# Altium PCB Printing2.PcbDoc (part 3 of 5)
Units mil, origin at the board's own origin, x right, y up, seen from the top; angles counter-clockwise.
Board outline 7550 x 7770 mil, 4 copper layers (Top Layer, 5v/3.3V, 24V, Bottom Layer), stack 23.756 mil thick; 443 components, 337 nets, 1388 pads, 513 vias.
Unrouted connection lines stored in the file: 148.
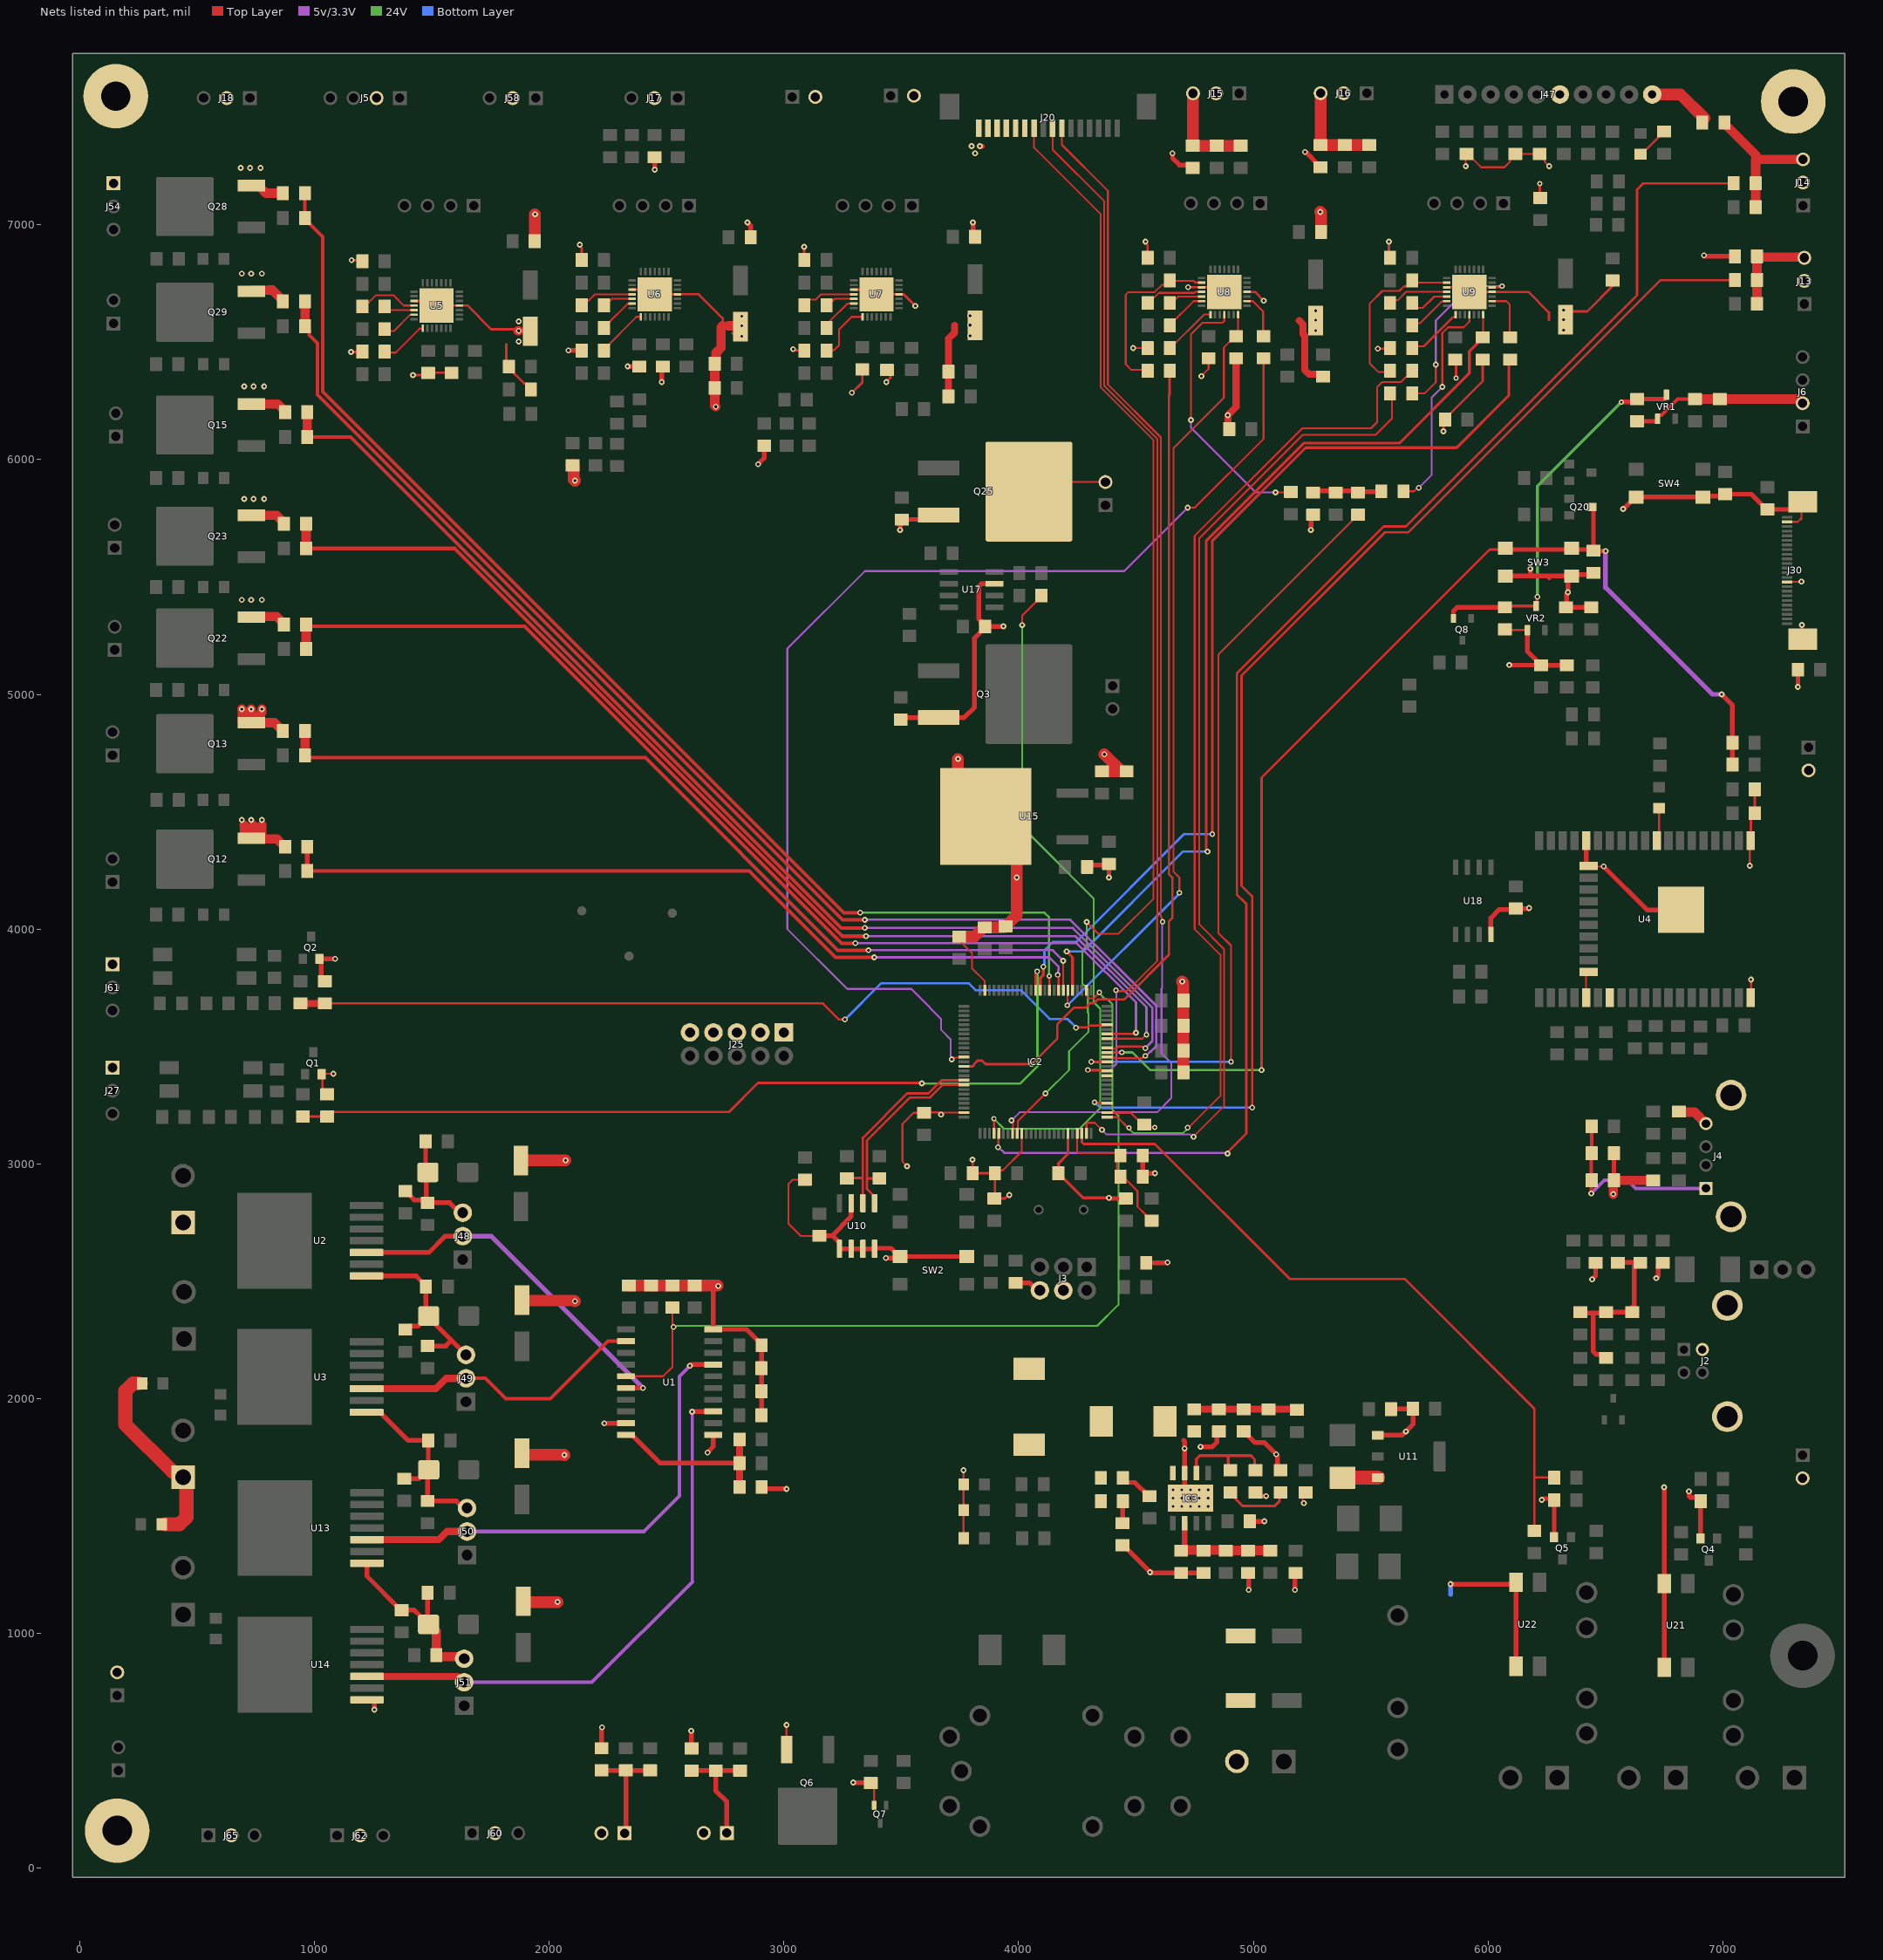
[diagram p5: the nets of this part, all layers, seen from the top]

## Via types
v1: diameter 25, hole 12, Top Layer to Bottom Layer, tented both sides, 396 vias
v2: diameter 23, hole 12, Top Layer to Bottom Layer, tented both sides, 76 vias
v3: diameter 19.68, hole 11.81, Top Layer to Bottom Layer, 15 vias
v4: diameter 25, hole 12, Top Layer to Bottom Layer, 12 vias
v5: diameter 28, hole 14, Top Layer to Bottom Layer, tented both sides, 8 vias
v6: diameter 22, hole 12, Top Layer to Bottom Layer, tented both sides, 4 vias
v7: diameter 23, hole 14, Top Layer to Bottom Layer, tented both sides, 1 vias
v8: diameter 24, hole 12, Top Layer to Bottom Layer, tented both sides, 1 vias

## Nets (pads, with @x,y where several pads share a name; then routed paths per layer and width w, separated by ;. In a path a pad name is that pad's centre, name@x,y a point inside that pad or via, vN(x,y) a via of type N, cw(c..) or ccw(c..) an arc to the next point about the centre after c; other vN are vias at no path point) (continued)
E0_EN: IC2.89 R149.1 | length 3613.4
  Top Layer w10: IC2.89@3767.5,3415.3 3804.64,3415.3 3810.5,3421.16 3810.5,3425.15 3824.85,3439.5 3845.15,3439.5 3860.1,3424.55 4054.79,3424.55 v2(4055.5,3425.26) 4165,3534.76 4165,3595.15 4234.85,3665 4285,3665 4305,3685 4321.84,3685 4336.84,3700 4450,3700 4640,3890 4640,4032.03 4655,4047.03 4655,4220 4640,4235 4640,6273.92 4643.41,6277.33
  Top Layer w12: 4643.41,6277.33 R149.1@4643.41,6370.33
E0_EN1: R99.1 R149.2 U8.2 | length 753.7
  Top Layer w8: R149.2@4549.96,6378.33 4546.61,6381.68 4481.06,6381.68 4456.41,6406.33 4456.41,6702.33 4467.41,6713.33 4579.41,6713.33 4610.16,6744.08 4622.86,6744.08 R99.1@4643.47,6764.69 ; R99.1@4644.45,6763.75 4646.87,6761.33 4745.41,6761.33 4751.9,6754.84 4778.57,6754.84 U8.2@4779.88,6753.53
E0_STEP: IC2.87 R151.1 | length 4998.7
  Top Layer w8: v1(3715,3445) 3722.77,3452.77 3765.59,3452.77 IC2.87@3767.5,3454.67 ; v1(4720,5795) 4750.08,5795 5043.41,6088.33 R151.1@5043.41,6431.09 R151.1@5043.41,6432.09
  5v/3.3V w8: v1(3715,3445) 3711.75,3448.25 3711.75,3456.44 3710,3458.19 3710,3530.84 3670,3570.84 3670,3616.1 3622.98,3663.12 3622.98,3665.26 3543.23,3745 3270,3745 3015,4000 3015,5195 3345,5525 4450,5525 v1(4720,5795)
E0_STEP1: R151.2 U8.16 | length 196.9
  Top Layer w8: U8.16@4972.8,6674.79 4997.95,6674.79 5041.41,6631.33 R151.2@5041.41,6521.05
E0_UART: IC2.56 R103.1 U8.14 | length 3334.3
  Top Layer w8: v2(4207.5,3675) 4208.96,3676.46 4208.96,3738.65 IC2.56@4210.41,3740.11 ; v2(4685,4154.5) 4685,4220 4660,4245 4660,6048.92 4874.41,6263.33 4874.41,6477.51 4900.88,6503.98 4922.47,6525.58 R103.1@4926.41,6525.58 4935.39,6534.56 U8.14@4935.39,6617.7
  Bottom Layer w10: v2(4207.5,3675) 4208.75,3675 4685,4151.25 v2(4685,4154.5)
E0DIAG: R83.2 U8.11 | length 1131.4
  Top Layer w8: v1(4734.41,6168.33) 4734.41,6533.33 4784.41,6583.33 4869.41,6583.33 4876.34,6590.26 U8.11@4876.34,6617.7 ; v1(5095,5860) 5157.76,5860 R83.2@5160,5862.24
  5v/3.3V w8: v1(4734.41,6168.33) 4734.41,6135.59 5010,5860 v1(5095,5860)
E1-: IC2.38 R61.1 | length 3263.8
  Top Layer w8: v1(4310,3435) IC2.38@4377.73,3434.99 ; v2(4905,3435) 4905,3930 4851.5,3983.5 4851.5,5170.26 5420.9,5739.65 5420.9,5743.59 5442.49,5765.18 R61.1@5446.42,5765.18
  Bottom Layer w10: v1(4310,3435) v2(4905,3435)
E1-0: C34.1 R59.2 R61.2 R84.1 | length 309.1
  Top Layer w20: C34.1@5254.43,5866.67 5453.43,5866.67 R61.2@5460,5873.24 ; R61.2@5446.42,5859.67 5449.09,5862.33 5542.33,5862.33 R84.1@5545,5865
E1_DIR: IC2.24 R148.1 | length 4312.1
  Top Layer w8: IC2.24@4289.15,3129.87 4289.15,3169.47 4294.69,3175 4325,3175 v1(4355,3145) ; v1(4745,3115) 4875,3245 4875,3915 4770,4020 4770,5665 5210,6105 5520,6105 5590.41,6175.41 5590.41,6274.09 R148.1@5582.17,6282.33
  5v/3.3V w8: v1(4355,3145) 4375,3125 4731.81,3125 4741.81,3115 v1(4745,3115)
E1_DIR1: R148.2 U9.19 | length 794.4
  Top Layer w8: R148.2@5673.57,6282.33 R148.2@5690.57,6299.33 ; R148.2@5676.65,6282.33 5730.41,6282.33 5777.41,6329.33 v1(5777.41,6404.33) ; U9.19@6016.89,6733.84 6049.99,6733.84 6054.81,6738.66 v2(6059.41,6738.66)
  5v/3.3V w8: v1(5777.41,6404.33) 5777.41,6592.41 5923.66,6738.66 v2(6059.41,6738.66)
E1_EN: IC2.26 R146.1 | length 4321.1
  Top Layer w8: IC2.26@4377.73,3198.77 4421.23,3198.77 4466.5,3153.5 v2(4470,3153.5) ; v1(4720,3154.5) 4722.25,3152.25 4860,3290 4860,3890 4750,4000 4750,5675 5208.33,6133.33 5501.41,6133.33 5527.41,6159.33 5527.41,6309.33 5548.41,6330.33 5628.73,6330.33 5651.2,6352.8 5655.14,6352.8 5676.73,6374.39 R146.1@5676.73,6378.33
  24V w8: v2(4470,3153.5) 4470,3150 4488.5,3131.5 4701.5,3131.5 4720,3150 v1(4720,3154.5)
E1_EN1: R108.1 R146.2 U9.2 | length 728.9
  Top Layer w8: R146.2@5582.17,6373.33 5532.41,6373.33 5495.41,6410.33 5495.41,6664.18 5549.56,6718.33 5622.41,6718.33 5642.3,6738.22 5655.06,6738.22 5676.65,6759.81 R108.1@5676.65,6763.33 ; R108.1@5676.73,6750.38 5679.88,6753.53 U9.2@5823.98,6753.53
E1_STEP: IC2.62 R147.1 | length 4022.9
  Top Layer w12: IC2.62@4092.3,3740.11 4092.3,3792.3 4105,3805 4105,3839.5 v2(4105.5,3840) ; v2(4825,4405) 4825,5653.13 5222.87,6051 5866,6051 6088.41,6273.41 6088.41,6422.09 R147.1@6094.41,6428.09
  Bottom Layer w10: v2(4105.5,3840) 4105.5,3844.06 4110,3848.56 4110,3910 4145,3945 4245.35,3945 4705.35,4405 v2(4825,4405)
E1_STEP1: R147.2 U9.16 | length 220.1
  Top Layer w8: U9.16@6016.89,6674.79 6077.95,6674.79 6092.41,6660.33 6092.41,6524.58 R147.2@6094.41,6522.58
E1_UART: IC2.55 R110.1 U9.14 | length 3983.1
  Top Layer w8: R110.1@5959.41,6520.58 R110.1@5969.56,6530.72 ; R110.1@5959.56,6533.48 5970.72,6533.48 5979.41,6542.17 5979.41,6573.33 5979.49,6573.41 U9.14@5979.49,6617.7
  Top Layer w12: v1(4205,3905) 4230.1,3879.9 IC2.55@4230.1,3740.11 ; v1(4805,4330) 4799.5,4335.5 4799.5,5654.5 5215,6070 5622.08,6070 5920,6367.92 5920,6461.17 5955.88,6497.05 5955.88,6500.98 R110.1@5975.47,6520.58
  Bottom Layer w10: v1(4205,3905) 4274.65,3905 4699.65,4330 v1(4805,4330)
E1DIAG: R84.2 U9.11 | length 937.4
  Top Layer w8: R84.2@5639.49,5865 5685.4,5865 5700.4,5880 v1(5705,5880) ; v1@5805.41,6310.33 5805.41,6539.33 5829.41,6563.33 5896.41,6563.33 5920.41,6587.33 U9.11@5920.43,6617.7
  5v/3.3V w8: v1(5705,5880) 5760,5935 5760,6265 v1(5805,6310)
ESP_EN: C32.1 IC2.40 Q20.3 R51.2 R136.1 SW3.2 SW3.3 | length 5144.7
  Top Layer w10: IC2.40@4377.73,3474.36 4378.06,3474.68 4439.68,3474.68 v2(4440,3475) ; v1(5035,3400) 5035,4645 6006.91,5616.91 SW3.2@6073.09,5616.91
  Top Layer w20: SW3.2@6077.99,5617.01 6356.55,5617.01 6443.82,5617.01 C32.1@6448.72,5612.11 ; Q20.3@6440.16,5797.46 6441,5797.46 6448.72,5789.75 C32.1@6448.72,5612.11 ; v1(6500.5,5610) 6499.54,5610.96 6449.87,5610.96 C32.1@6448.72,5612.11 ; v1(6995,5000) 7041.23,4953.77 R51.2@7041.23,4794.49 R136.1@7041.23,4701.49
  5v/3.3V w20: v1(6500.5,5610) 6500.5,5455 6727.52,5227.98 6955.5,5000 v1(6995,5000)
  24V w10: v2(4440,3475) 4485,3475 4560,3400 v1(5035,3400)
FAN1: IC2.8 J20.7 | length 5105.8
  Top Layer w8: v1(3970,3185) 3976.49,3178.51 3976.49,3132.17 IC2.8@3974.19,3129.87 ; J20.7@4184.05,7410.98 4184.05,7340.95 4380,7145 4380,6320 4606,6094 4606,4053.37 4610.25,4049.12 4610.25,4034.25 v2(4613.5,4031)
  5v/3.3V w8: v1(3970,3185) 4005,3220 4590,3220 4650,3280 4650,3430 4609,3471 4609,3746.45 4611.5,3748.95 4611.5,4029 v2(4613.5,4031)
FAN2: IC2.36 J20.8 | length 4493
  Top Layer w8: J20.8@4144.68,7410.98 4144.68,7320.32 4365,7100 4365,6313.79 4591,6087.79 4591,4061.31 4590,4060.31 4590,3864.35 4461.68,3736.04 4417.54,3736.04 v2(4414.29,3739.29) ; v2(4295,3400) 4297,3398 4375.11,3398 4377.62,3395.5 IC2.36@4377.73,3395.62
  5v/3.3V w8: v2(4295,3400) 4390,3400 4416.5,3426.5 4416.5,3737.08 v2(4414.29,3739.29)
GND: C1.2 C2.2 C3.2 C4.2 C5.2 C6.2 C7.1 C8.1 C9.1 C10.1 C13.1 C14.1 C15.1 C16.1 C18.1 C19.1 C20.2 C21.2 C22.1 C23.2 C24.2 C25.2 C26.2 C27.1 C28.2 C29.2 C30.2 C31.2 C32.2 C33.2 C34.2 C35.1 C37.1 C38.1 C39.2 C40.2 C43.2 C44.2 C47.2 C48.2 C49.2 C50.2 C51.2 C52.2 C55.2 C56.2 C59.2 C60.2 C61.2 C62.2 C63.2 C64.1 C66.2 C68.2 C69.2 C70.1 C71.1 C72.1 C73.1 C74.1 C75.1 C76.1 C77.1 C78.2 C79.1 C80.1 C81.2 C82.1 C83.1 C84.1 C85.1 C86.2 C87.2 C88.1 C89.2 C90.2 C91.1 C92.1 C94.1 C95.2 C96.2 C97.2 C98.1 C99.2 C100.2 C101.2 C102.1 C103.2 C104.2 C105.2 D2.A D10.A D11.A D12.A D13.A D14.K D15.K D16.K IC2.10 IC2.20 IC2.27 IC2.74 IC2.99 IC3.7 IC3.9 J2.4 J2.S1 J2.S2 J3.4 J3.6 J4.04 J4.S1 J4.S2 J5.2 J6.2 J7.2 J8.2 J10.2 J13.2 J14.2 J15.2 J16.2 J17.2 J18.2 J20.15 J20.16 J25.1 J25.3 J25.5 J25.7 J25.9 J27.1 J30.10 J30.23 J30.S1 J30.S2 J34.2 J36.2 J47.6 J47.10 J48.3 J49.3 J50.3 J51.3 J53.2 J54.1 J58.2 J60.2 J61.1 J62.2 J63.2 J64.2 J65.2 L2.1 P1.1 P4.1 pad.@154,7548 pad.@160,160 pad.@7300,7525 Q1.2 Q2.2 Q3.3 Q4.2 Q5.2 Q6.3 Q7.2 Q12.3 Q13.3 Q15.3 Q22.3 Q23.3 Q25.3 Q28.3 Q29.3 R3.2 R9.1 R16.1 R17.1 R18.1 R19.1 R29.2 R31.1 R32.2 R45.1 R57.1 R66.2 R67.2 R68.2 R77.2 R78.2 R79.2 R90.1 R91.1 R92.2 R93.2 R94.1 R95.1 R96.1 R97.1 R100.1 R101.1 R102.2 R103.2 R104.1 R105.1 R106.1 R107.1 R109.1 R110.2 R111.1 R112.1 R120.1 R121.1 R122.1 R124.1 R125.1 R126.2 R127.1 R128.1 R129.1 R130.1 R131.1 R132.1 R134.2 R160.2 R162.2 R168.1 R177.2 R178.1 R179.1 R180.1 R181.1 R182.1 R183.1 R184.1 R190.2 R192.1 SB2.1 SB4.1 SW2.1 SW2.4 SW3.1 SW3.4 SW4.1 SW4.4 U1.1 U1.10 U1.19 U2.1 U3.1 U4.1 U4.15 U4.38 U4.39 U5.3 U5.18 U5.29 U6.3 U6.18 U6.29 U7.3 U7.18 U7.29 U8.3 U8.18 U8.29 U9.3 U9.18 U9.29 U10.1 U10.2 U10.3 U10.4 U10.7 U11.1 U13.1 U14.1 U15.3 U17.3 U18.4 U21.2 U21.3 U22.2 U22.3 VR1.1 VR2.1 | length 31378.9
  Top Layer w8: R66.2@1054.39,3296.01 1034.21,3316.18 1034.21,3373.98 1026.43,3381.76 1028.68,3384 v1(1081,3384) ; R57.1@3092.76,2930 R57.1@3090,2932.76 3037.76,2932.76 3020,2915 3020,2745 3071.74,2693.26 C7.1@3151.75,2693.26 ; v4(3525,2990) 3505,3010 3505,3170 3552.74,3217.74 C4.2@3596.75,3217.74 C4.2@3597.46,3218.45 ; v1(3670,3210) v1@3661.55,3218.45 ; C1.2@3757.28,3946.15 3757.28,3942.22 3801.75,3897.74 3801.75,3832.5 3856.08,3778.17 IC2.74@3856.08,3740.11 ; IC2.99@3767.5,3218.45 v1@3661.55,3218.45 ; C3.2@3899.51,2960.5 3911.17,2972.16 3932.41,2972.16 4013.56,3053.31 IC2.10@4013.56,3129.87 ; IC2.27@4377.73,3218.45 4378.88,3217.3 4477.7,3217.3 4529,3166 4533.24,3166 C2.2@4535,3167.76 4547.76,3155 v2(4580,3155) ; v1(4488.41,6475.33) 4549.31,6475.33 C52.2@4549.96,6474.69 ; v1(4540.5,6928.33) 4540.5,6923.73 4549.41,6914.82 4549.41,6860.65 R106.1@4549.96,6860.1 ; v1(4778.41,6355.33) 4809.41,6386.33 R101.1@4809.41,6431.09 ; v1(5215,1555) 5210,1560 5210,1587.76 R122.1@5222.5,1600.26 ; v1(5905,7250) 5905,7298.39 R29.2@5908.86,7302.24 5912.79,7302.24 5970.04,7245 6070,7245 6094.34,7269.34 6094.34,7280.72 C70.1@6115.86,7302.24 C70.1@6118.52,7302.24 ; C70.1@6140.11,7280.65 C70.1@6118.52,7302.24 ; v1(6260,7250) 6240.66,7269.34 6240.66,7280.95 C71.1@6219.36,7302.24 C70.1@6118.52,7302.24 ; U4.15@6428.8,4266.8 v1@6492.64,4266.8 ; J30.23@7273.76,5734.57 7319.38,5734.57 7330.53,5745.72 7335.13,5745.72 7335.13,5814.45 J30.S2@7340.69,5820 ; J30.10@7274.73,5477.69 J30.10@7273.76,5478.66 7274.43,5479.33 7334.33,5479.33 v1(7335,5480) ; v1(7337.13,5295.72) 7337.13,5239.3 J30.S1@7340.69,5235.75 ; C4.2@3597.46,3218.45 3599.01,3220 3660,3220 v1@3661.55,3218.45 ; C4.2@3597.46,3218.45 v1@3661.55,3218.45
  Top Layer w10: v1(1156.41,6458.33) 1200.8,6458.33 C39.2@1204.92,6462.45 ; v1(1158.41,6849.33) 1200.69,6849.33 R94.1@1204.92,6845.1 ; v1(1420,6360) 1475.57,6360 R90.1@1484.41,6368.84 1485.53,6369.96 R92.2@1583.29,6369.96 ; U5.3@1424.17,6676.09 1500.94,6676.09 U5.29@1520.63,6656.4 U5.18@1617.09,6656.4 1651.47,6656.4 1752.87,6555 1850,6555 ; 1817.41,6491.33 1817.41,6404.09 1825.17,6396.33 1825.17,6392.39 1893.7,6323.86 1902.06,6323.86 1922.65,6303.27 C43.2@1922.65,6299.33 ; v1(2130.41,6915.33) 2130.41,6911.27 2138.98,6902.7 R96.1@2138.98,6850.1 ; U6.3@2353.39,6723.84 2430.16,6723.84 U6.29@2449.84,6704.16 U6.18@2546.3,6704.16 2636.65,6704.16 2739.41,6601.4 2739.41,6569.9 ; 2781.41,6538.33 C50.2@2799.65,6520.09 ; Q6.3@3011.57,505 v1(3011.57,610) ; v1(3039.41,6470.33) 3043.47,6470.33 3049.11,6464.69 C51.2@3087.17,6464.69 ; v1(3086.41,6906.33) 3086.41,6850.86 R104.1@3087.17,6850.1 ; v1(3289.41,6284.33) 3334.45,6329.37 R100.1@3334.45,6383.92 ; U7.3@3298.19,6723.84 3374.96,6723.84 U7.29@3394.65,6704.16 U7.18@3491.1,6704.16 3491.42,6703.84 3510.9,6703.84 v1(3560.41,6654.33) ; Q7.2@3384.41,278.19 R126.2@3384.41,348.35 ; v1(3436.41,6330.33) 3454.41,6348.33 R102.2@3454.41,6386.09 ; v1(3765,1695) 3765,1635.71 D14.K@3765.71,1635 D15.K@3765.71,1525 D16.K@3765.71,1405 ; v1(3803.75,3017.5) 3803.99,3017.26 R19.1@3803.99,2960.5 C3.2@3899.51,2960.5 3899.51,2855.22 C8.1@3897.03,2852.74 3941.94,2852.74 3956.69,2867.5 v1(3960.75,2867.5) ; C85.1@4292.24,4265 C85.1@4300.59,4273.35 ; C84.1@4380.59,4273.35 C84.1@4385,4277.76 ; v2(4722.41,6734.33) 4722.65,6734.09 4779.64,6734.09 U8.3@4779.88,6733.84 4856.65,6733.84 U8.29@4876.34,6714.16 ; U8.18@4972.8,6714.16 5006.58,6714.16 v1(5044.41,6676.33) ; C94.1@4977.5,1258.01 C94.1@4980,1255.51 ; R120.1@5177.5,1255.26 R120.1@5180,1257.76 ; v1(5530.41,6472.33) 5579.89,6472.33 C63.2@5582.24,6474.69 ; v1(5577.41,6928.33) 5577.41,6864.94 R111.1@5582.24,6860.1 ; v1(5810,6120) 5810,6163.17 C66.2@5817.17,6170.33 5817.17,6174.27 5976.91,6334.01 R110.2@5976.91,6426.09 ; U9.3@5823.98,6733.84 5900.75,6733.84 U9.29@5920.43,6714.16 U9.18@6016.89,6714.16 6171.65,6714.16 6259.41,6626.4 6259.41,6594.9 ; R109.1@5859.41,6426.09 5863.38,6422.12 v2(5863.38,6347.36) ; SW3.1@6050.53,5481.24 SW3.1@6073.09,5503.8 ; C100.2@6072.13,5276.47 6074.79,5273.82 VR2.1@6167.6,5273.82 ; v2(6220.67,7175.41) 6220.67,7116.65 R112.1@6222.67,7114.65 ; C69.2@6360.41,6631.33 6422.72,6631.33 6535,6743.61 C68.2@6535,6780 ; v1(7115,4270) 7115,4354.96 U4.1@7119.4,4359.36 ; U4.1@7119.33,4361.37 7119.33,4476.79 C28.2@7136.34,4493.8 C29.2@7136.34,4595.76 ; U4.38@7120,3707.11 v1(7120,3785)
  Top Layer w12: C5.2@4169.51,2960.5 4169.51,2956.56 4189.1,2936.97 4193.03,2936.97 4275.01,2855 v1(4385,2855) ; C5.2@4170.59,2966.59 4170.59,3002.34 4210.41,3042.16 IC2.20@4210.41,3129.87
  Top Layer w15: VR1.1@6722.14,6173.86 6722.14,6184.09 6726.45,6188.41 6738.41,6188.41 6807.72,6257.72 C96.2@6881.2,6257.72
  Top Layer w20: Q2.2@1021.43,3873.76 1021.81,3873.38 1087.62,3873.38 v1(1088,3873) ; R134.2@1029.39,3778.01 Q2.2@1029.39,3861.87 ; U2.1@1221.91,2522.68 1433.25,2522.68 1475.02,2480.91 C88.1@1475.02,2476.98 D10.A@1475.02,2357.37 ; U3.1@1222.31,1942.37 1279,1942.37 1399.39,1821.98 C91.1@1485.02,1821.98 1485.02,1699.22 1482.27,1696.46 D12.A@1482.27,1695.56 ; U14.1@1223.88,716.98 1249.72,716.98 1255.27,711.42 v1(1255.27,674.98) ; U13.1@1223.88,1299.06 1223.88,1243.67 1368.33,1099.22 R131.1@1372.27,1099.22 1425.69,1099.22 1451.28,1073.64 1451.28,1070.53 1482.97,1038.83 D13.A@1486.09,1038.83 ; R130.1@1382.27,1659.22 1445.93,1659.22 D12.A@1482.27,1695.56 ; R183.1@1387.27,2294.22 1402.86,2309.81 1441.48,2309.81 D10.A@1482.03,2350.36 ; R45.1@1387.27,2884.22 1391.2,2884.22 1406.8,2868.63 1406.8,2864.69 1425.05,2846.43 1465.05,2846.43 R182.1@1477.27,2834.22 ; C76.1@1473.88,3096.31 1473.88,2973.08 D11.A@1483.33,2963.63 1477.27,2957.57 R182.1@1477.27,2834.22 ; R184.1@1482.27,2224.22 1559.51,2224.22 1583.84,2248.55 ; C92.1@1482.54,1173.47 1482.54,1045.72 D13.A@1489.43,1038.83 ; D10.A@1487.23,2351.98 1483.65,2351.98 D10.A@1482.03,2350.36 ; J48.3@1632.27,2791.98 1618.65,2791.98 1576.41,2834.22 R182.1@1482.27,2834.22 R182.1@1477.27,2834.22 ; J49.3@1645.93,2186.46 1583.84,2248.55 ; J50.3@1650.26,1534.1 1634.36,1534.1 1604.25,1564.22 R129.1@1482.27,1564.22 D12.A@1482.27,1695.56 ; v1(2082.41,6465.33) 2082.73,6465.01 2138.65,6465.01 C40.2@2138.98,6464.69 ; C38.1@2223.32,511.17 2223.32,596.96 2225,598.65 v1(2225,600) ; v1(2235,1895) 2235.13,1895.13 2326.87,1895.13 U1.19@2327,1895.26 ; v1(2334.41,6397.33) 2335.03,6396.71 2383.79,6396.71 R91.1@2384.41,6396.09 ; C30.2@2449.69,7288.18 2449.85,7288.03 2449.85,7235.15 v1(2450,7235) ; v1(2480,6330) 2480,6391.68 R93.2@2484.41,6396.09 ; v1(2605,585) 2605.78,584.22 2605.78,510.78 C35.1@2606.56,510 ; v1(2675,1770) 2675,1771.35 2699.04,1795.4 U1.1@2699.04,1845.26 2698.02,1844.24 U1.1@2697,1845.27 ; v1@2717.76,2482.24 2699.04,2463.53 U1.10@2699.04,2295.26 2841.21,2295.26 R181.1@2904.68,2231.8 ; v1(2845,7010) 2845,7009.63 2858.65,6995.97 R97.1@2858.65,6947.33 ; v1(2890,5980) 2916.43,6006.43 C33.2@2916.43,6059.18 ; R178.1@2904.68,1929.01 R179.1@2904.68,2031.76 R181.1@2904.68,2231.8 ; R181.1@2905.27,2227.27 2905.27,2231.2 R181.1@2904.68,2231.8 ; C78.2@2905.46,1623.5 2913,1615.96 3010.61,1615.96 v1(3011.57,1615) ; C7.1@3151.75,2693.26 3204.51,2693.26 ; U10.7@3286.75,2832.74 3286.75,2775.5 3204.51,2693.26 ; v1(3295,365) 3295.96,364.04 3368.71,364.04 R126.2@3370,362.76 ; v1(3434.75,2599.24) 3489.63,2599.24 SW2.4@3495.84,2605.46 ; v1(3495,5700) 3495.96,5700.96 3495.96,5736.71 R168.1@3503,5743.76 ; R168.1@3504.24,5745 3640.97,5745 Q25.3@3660,5764.03 ; R31.1@3511.73,4901 Q3.3@3636,4901 ; Q3.3@3637,4900 Q3.3@3636,4901 ; SW2.1@3779.31,2605.46 SW2.4@3495.84,2605.46 ; v1(3805,7010) 3805.96,7009.04 3805.96,6958.03 R105.1@3814.65,6949.33 ; v1(3835,7335) v1@3845,7335 ; U17.3@3897.44,5471 3841.72,5471 3830,5459.28 3830,5321.2 3841.65,5309.55 3841.65,5296.59 C95.2@3855.21,5283.03 ; v1(3935,5290) 3934.5,5289.5 3857.74,5289.5 C95.2@3857.24,5289 3857.24,5285.06 C95.2@3855.21,5283.03 ; C16.1@3986.75,2493.26 4046.28,2493.26 4078.17,2461.37 J3.6@4090.73,2461.37 ; C85.1@4300.59,4273.35 C84.1@4380.59,4273.35 ; v1(4385,2855) 4387.38,2852.62 4456.63,2852.62 C9.1@4456.75,2852.74 ; v1(4385,4220) C84.1@4385,4277.76 ; R192.1@4442.5,1375.26 4446.44,1375.26 4559.04,1262.65 4559.04,1260.96 v1(4560,1260) 4561.35,1260 4563.34,1258.01 C19.1@4787.5,1258.01 ; C77.1@4528.99,3035.5 C37.1@4528.99,2945.5 4542.54,2959.04 4579.79,2959.04 v1(4580.75,2960) ; R9.1@4543.88,2578.3 4631.94,2578.3 4633.65,2580 v2(4635,2580) ; v1(4655,7305) 4655,7303.65 4656.35,7302.29 4656.35,7283.65 4685.39,7254.61 4729.34,7254.61 C25.2@4741.44,7242.51 ; 4702.5,1822.5 4707.5,1817.5 v1(4707.5,1787.5) IC3.7@4707.5,1682.5 4707.5,1601.2 v3(4732.5,1576.2) ; v1(4775,1795) 4825,1795 4845,1815 C72.1@4845,1857.65 ; C73.1@4962.5,1857.5 5007.5,1812.5 5047.5,1812.5 v1(5097.5,1762.5) 5097.5,1761.15 5103.25,1755.4 C75.1@5103.25,1695.45 ; v1(4980,1185) C94.1@4980,1255.51 ; R121.1@4984.74,1477.5 v1(5047.5,1477.5) ; C74.1@5012.5,1600.26 C74.1@5009.17,1600.26 5024.42,1585 v1(5055,1585) ; v1(5177.5,1184.74) R120.1@5177.5,1255.26 ; v1(5220,7310) 5220.96,7309.04 5223.99,7309.04 5282.52,7250.51 C26.2@5286.46,7250.51 ; v1(5245,5700) 5245.96,5700.96 5245.96,5756.08 C34.2@5255.06,5765.18 ; U11.1@5530.3,1844.04 5634.04,1844.04 v1(5650,1860) 5680.26,1890.26 5680.26,1955.85 5679.43,1956.67 5587.22,1956.67 C22.1@5586.4,1955.85 ; v1(5840,1210) 6111.26,1210 U22.2@6119,1217.74 ; U18.4@6011.72,3976.87 6011.72,4047.87 6047.72,4083.87 6113.96,4083.87 C105.2@6117.72,4087.62 6171.27,4087.62 6173.65,4090 v1(6175,4090) ; SW3.1@6073.09,5503.8 6180,5503.8 ; v4(6090,5125) 6090.52,5124.48 C104.2@6221.74,5124.48 ; U22.3@6119,860.26 U22.2@6119,1204.94 ; VR2.1@6167.6,5273.82 6167.6,5182.56 6206.67,5143.49 6206.67,5139.55 C104.2@6221.74,5124.48 ; v4(6180,5535) 6180,5503.8 ; v1(6229,1569) 6230.35,1569 6235.7,1574.35 6275.41,1574.35 R190.2@6281.76,1568 ; 6260.96,5497.05 6267.72,5503.8 ; Q5.2@6281.57,1410 6281.66,1410.09 R190.2@6281.66,1540.09 ; C99.2@6332.22,5123.96 C104.2@6226.2,5123.96 6225.68,5124.48 C104.2@6221.74,5124.48 ; U4.15@6417.91,4276.95 U4.15@6417.91,4375.08 ; C102.1@6440.35,5370.72 6331.74,5370.72 C101.2@6331.5,5370.96 6335,5374.46 6335,5428.65 6340,5433.65 v1(6340,5435) 6340,5487.25 SW3.4@6356.55,5503.8 ; v1(6443,2508) 6443,2508.17 6458,2523.17 6458,2578.76 C10.1@6457.61,2579.15 ; C32.2@6448.72,5517.62 6441.81,5510.71 6363.46,5510.71 SW3.4@6356.55,5503.8 ; v1(6492.74,4266.91) 6492.64,4266.8 6677.72,4081.72 U4.39@6823.13,4081.72 ; R18.1@6536,2951.24 C13.1@6536,3051.2 ; v1(6575,5790) 6575.96,5790.96 6578.52,5790.96 6627.6,5840.04 SW4.1@6631.54,5840.04 SW4.4@6915,5840.04 ; C97.2@6635.13,6163.23 6720.33,6163.23 6722.14,6165.04 VR1.1@6722.14,6173.86 ; v1(6716,2513) 6716,2514.35 6724.81,2523.17 6724.81,2563.17 6740.4,2578.76 L2.1@6743.94,2578.76 ; L2.1@6743.94,2581.47 L2.1@6744.34,2581.08 ; v1(6750,1623) 6750.5,1622.5 6750.5,1213.24 U21.2@6751,1212.74 U21.3@6751,855.26 ; v1(6856,1605) 6856,1585.23 6862.5,1578.73 6890.17,1578.73 6905.76,1563.14 R177.2@6905.76,1563 6911.13,1551.58 cw(c6886.72,1540.03) 6911.73,1550.2 6905.44,1543.91 6905.44,1408.51 6905.13,1408.2 Q4.2@6905.13,1405 ; SW4.4@6904.36,5844.35 6956.76,5844.35 6998.46,5844.35 7023.65,5869.54 C81.2@7027.59,5869.54 ; v1@6920,6865.49 v1@6925.86,6865.49 ; v1(6920,6870) 6921.35,6870 v1@6925.86,6865.49 ; C81.2@7010,5852.76 7121.06,5852.76 7186.06,5787.76 R32.2@7190,5787.76 7308.44,5787.76 J30.S2@7335.13,5814.45 ; C23.2@7051.51,6865.49 v1@6925.86,6865.49 ; v1(7319.76,5032) 7320.13,5032.38 7320.13,5104.62 C103.2@7320.51,5105 ; D10.A@1482.03,2350.36 1583.84,2248.55 ; 3204.51,2693.26 3208.72,2693.26 3236.75,2665.22 U10.1@3236.75,2638.26 U10.2@3286.75,2638.26 U10.3@3336.75,2638.26 U10.4@3386.75,2638.26 3386.75,2638.69 3388.56,2640.5 3456.87,2640.5 3491.91,2605.46 SW2.4@3495.84,2605.46 ; Q3.3@3636,4901 Q3.3@3660,4901 3768,4901 3812,4945 3812,5239.82 C95.2@3855.21,5283.03 ; 6180,5503.8 6267.72,5503.8 ; 6267.72,5503.8 SW3.4@6356.55,5503.8 ; R190.2@6281.64,1540.12 6281.44,1540.87 cw(c6300.75,1546.05) R190.2@6281.66,1552.01 ; R190.2@6281.66,1540.09 R190.2@6281.66,1552.01 ; R190.2@6281.66,1552.01 cw(c6300.75,1546.05) 6285.58,1559.08 6285.65,1559.12 6285.24,1560.77 ccw(c6265.84,1555.89) R190.2@6281.76,1568 ; R190.2@6281.66,1552.01 6281.66,1567.91 R190.2@6281.76,1568